# KiCad board PCB.kicad_pcb (continued)
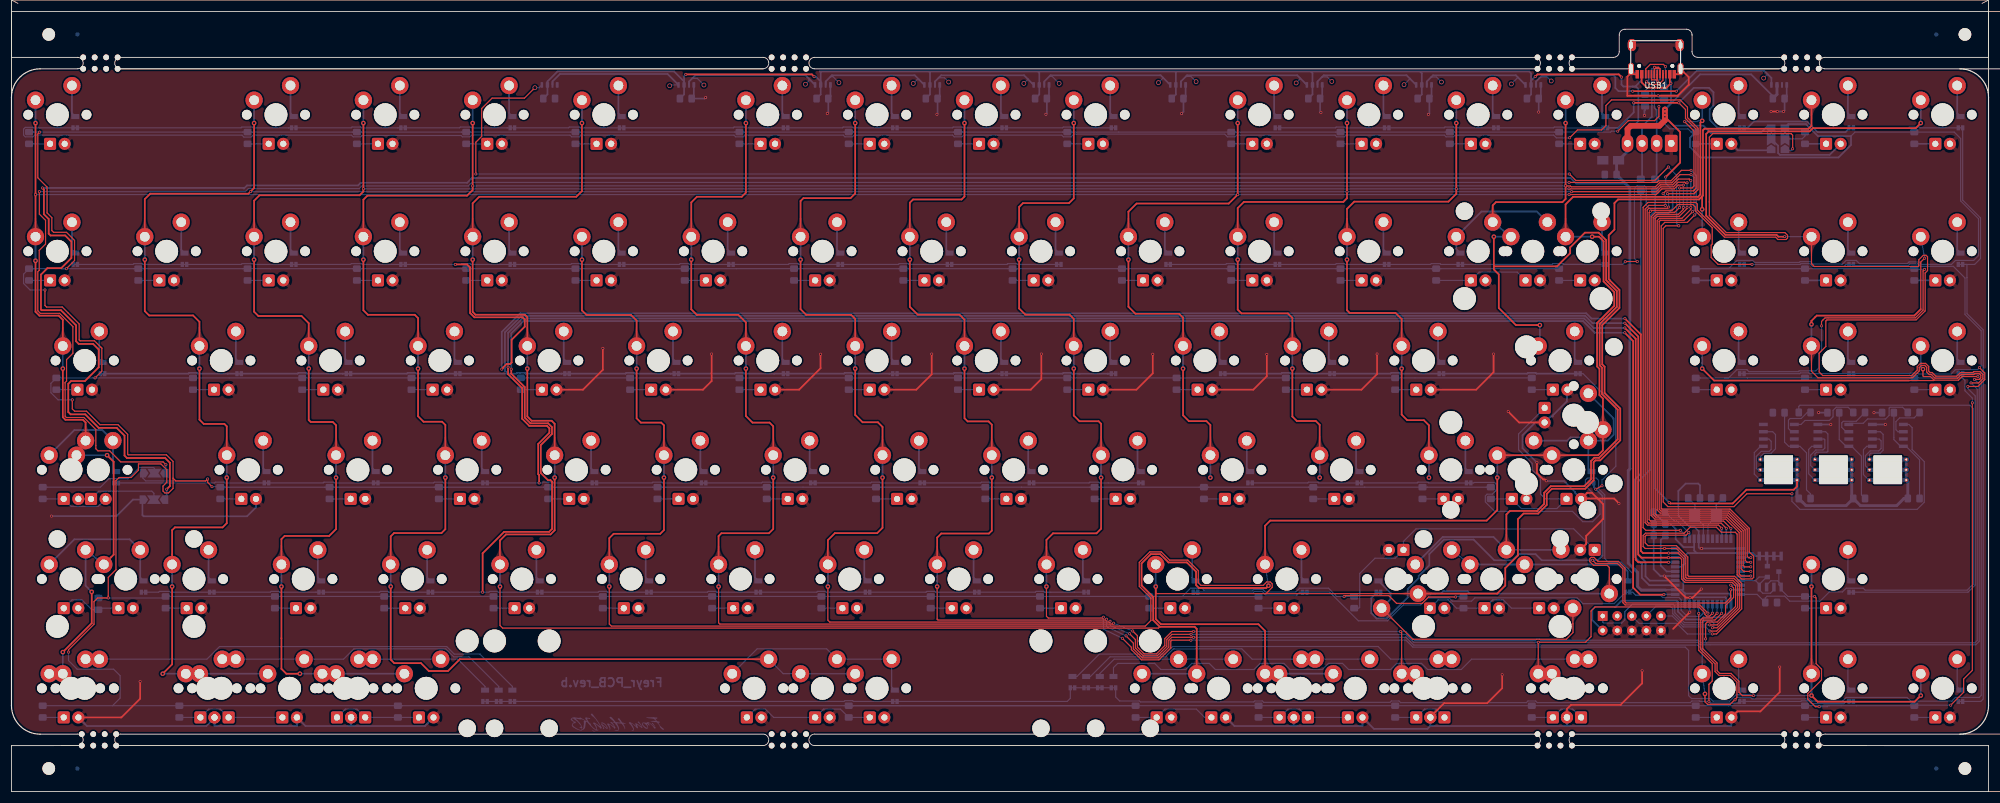
[diagram p0: board, top side]
## Copper pours and planes (outline as drawn; the poured copper is in the pictures) (continued)
Net-(D30-Pad2) on Bottom: 86.89,119.83 86.9,120.09 86.93,120.34 86.97,120.58 87.03,120.81 87.11,121.03 87.21,121.25 87.33,121.45 87.47,121.65 87.62,121.84 87.79,122.02 86.74,123.84 85.69,122.02 85.86,121.84 86.01,121.65 86.15,121.45 86.27,121.25 86.36,121.03 86.45,120.81 86.51,120.58 86.55,120.34 86.58,120.09 86.59,119.83
Net-(D31-Pad2) on Bottom: 67.84,96.02 67.85,96.28 67.88,96.53 67.92,96.77 67.98,97 68.06,97.22 68.16,97.44 68.28,97.64 68.42,97.84 68.57,98.03 68.74,98.21 67.69,100.03 66.64,98.21 66.81,98.03 66.96,97.84 67.1,97.64 67.22,97.44 67.31,97.22 67.4,97 67.46,96.77 67.5,96.53 67.53,96.28 67.54,96.02
Net-(D32-Pad2) on Bottom: 77.36,76.97 77.37,77.23 77.4,77.48 77.45,77.72 77.51,77.95 77.59,78.17 77.69,78.39 77.81,78.59 77.94,78.79 78.09,78.98 78.26,79.16 77.21,80.98 76.16,79.16 76.34,78.98 76.49,78.79 76.62,78.59 76.74,78.39 76.84,78.17 76.92,77.95 76.98,77.72 77.03,77.48 77.06,77.23 77.06,76.97
Net-(D33-Pad2) on Bottom: 82.13,57.92 82.14,58.18 82.16,58.43 82.21,58.67 82.27,58.9 82.35,59.12 82.45,59.34 82.57,59.54 82.7,59.74 82.86,59.93 83.03,60.11 81.98,61.93 80.93,60.11 81.1,59.93 81.25,59.74 81.39,59.54 81.5,59.34 81.6,59.12 81.68,58.9 81.75,58.67 81.79,58.43 81.82,58.18 81.83,57.92
Net-(D34-Pad2) on Bottom: 72.6,38.87 72.61,39.13 72.64,39.38 72.68,39.62 72.75,39.85 72.83,40.07 72.93,40.29 73.04,40.49 73.18,40.69 73.33,40.88 73.5,41.06 72.45,42.88 71.4,41.06 71.57,40.88 71.73,40.69 71.86,40.49 71.98,40.29 72.08,40.07 72.16,39.85 72.22,39.62 72.27,39.38 72.29,39.13 72.3,38.87
Net-(D35-Pad2) on Bottom: 127.95,23 127.75,22.82 127.55,22.65 127.34,22.5 127.12,22.38 126.89,22.27 126.66,22.19 126.41,22.12 126.17,22.07 125.91,22.05 125.65,22.04 125.1,20.01 127.13,20.55 127.14,20.82 127.17,21.07 127.21,21.32 127.28,21.56 127.37,21.8 127.47,22.02 127.6,22.24 127.74,22.46 127.91,22.66 128.09,22.86
Net-(D35-Pad2) on Bottom: 142.32,24.51 142.33,24.48 142.35,24.43 142.36,24.35 142.37,24.24 142.38,24.11 142.38,23.96 142.39,23.78 142.39,23.58 142.39,23.35 142.39,23.09 144.42,22.55 143.87,24.58 143.62,24.58 143.39,24.58 143.19,24.58 143.01,24.58 142.86,24.59 142.73,24.6 142.62,24.61 142.54,24.62 142.49,24.63 142.46,24.65
Net-(D35-Pad2) on Bottom: 153.51,19.7 153.52,19.97 153.55,20.23 153.6,20.49 153.67,20.73 153.75,20.97 153.86,21.19 153.98,21.41 154.12,21.62 154.28,21.82 154.46,22.01 153.41,23.83 152.36,22.01 152.54,21.82 152.71,21.62 152.85,21.41 152.97,21.19 153.08,20.97 153.16,20.73 153.23,20.49 153.28,20.23 153.3,19.97 153.31,19.7
Net-(D35-Pad2) on Bottom: 150.03,22.98 150.31,22.97 150.57,22.94 150.82,22.89 151.06,22.83 151.3,22.74 151.53,22.64 151.74,22.51 151.95,22.37 152.15,22.21 152.34,22.03 154.16,23.08 152.34,24.13 152.15,23.95 151.95,23.79 151.74,23.65 151.53,23.52 151.3,23.42 151.06,23.33 150.82,23.27 150.57,23.22 150.31,23.19 150.03,23.18
Net-(D35-Pad2) on Bottom: 147.27,23.18 147,23.19 146.74,23.22 146.48,23.27 146.24,23.33 146,23.42 145.78,23.52 145.56,23.65 145.35,23.79 145.15,23.95 144.96,24.13 143.14,23.08 144.96,22.03 145.15,22.21 145.35,22.37 145.56,22.51 145.78,22.64 146,22.74 146.24,22.83 146.48,22.89 146.74,22.94 147,22.97 147.27,22.98
Net-(D36-Pad2) on Bottom: 301.2,119.83 301.21,120.09 301.24,120.34 301.28,120.58 301.35,120.81 301.43,121.03 301.53,121.25 301.64,121.45 301.78,121.65 301.93,121.84 302.1,122.02 301.05,123.84 300,122.02 300.17,121.84 300.33,121.65 300.46,121.45 300.58,121.25 300.68,121.03 300.76,120.81 300.82,120.58 300.87,120.34 300.89,120.09 300.9,119.83
Net-(D37-Pad2) on Bottom: 251.99,94.58 252,94.63 252.03,94.69 252.07,94.76 252.13,94.85 252.21,94.95 252.31,95.07 252.43,95.2 252.57,95.34 252.72,95.5 252.89,95.67 251.84,97.49 250.79,95.67 250.96,95.5 251.11,95.34 251.25,95.2 251.37,95.07 251.46,94.95 251.55,94.85 251.61,94.76 251.65,94.69 251.68,94.63 251.69,94.58
Net-(D37-Pad2) on Bottom: 265.76,101.02 265.85,100.92 265.93,100.8 266,100.67 266.06,100.52 266.11,100.36 266.15,100.18 266.18,99.98 266.2,99.77 266.21,99.54 266.21,99.29 268.24,98.75 267.7,100.78 267.46,100.78 267.23,100.79 267.01,100.82 266.82,100.85 266.64,100.89 266.47,100.94 266.32,101 266.19,101.07 266.07,101.15 265.97,101.24
Net-(D37-Pad2) on Bottom: 253.23,98.35 253.2,98.32 253.14,98.3 253.06,98.29 252.96,98.27 252.83,98.26 252.68,98.25 252.51,98.24 252.31,98.24 252.09,98.24 251.85,98.24 251.31,96.21 253.34,96.75 253.34,97 253.34,97.21 253.34,97.41 253.35,97.58 253.36,97.73 253.37,97.86 253.39,97.96 253.4,98.04 253.42,98.1 253.45,98.13
Net-(D38-Pad2) on Bottom: 272.63,76.97 272.64,77.23 272.66,77.48 272.71,77.72 272.77,77.95 272.85,78.17 272.95,78.39 273.07,78.59 273.2,78.79 273.36,78.98 273.53,79.16 272.48,80.98 271.43,79.16 271.6,78.98 271.75,78.79 271.89,78.59 272,78.39 272.1,78.17 272.18,77.95 272.25,77.72 272.29,77.48 272.32,77.23 272.33,76.97
Net-(D39-Pad2) on Bottom: 105.94,119.83 105.95,120.09 105.98,120.34 106.02,120.58 106.08,120.81 106.16,121.03 106.26,121.25 106.38,121.45 106.52,121.65 106.67,121.84 106.84,122.02 105.79,123.84 104.74,122.02 104.91,121.84 105.06,121.65 105.2,121.45 105.32,121.25 105.41,121.03 105.5,120.81 105.56,120.58 105.6,120.34 105.63,120.09 105.64,119.83
Net-(D40-Pad2) on Bottom: 86.89,96.02 86.9,96.28 86.93,96.53 86.97,96.77 87.03,97 87.11,97.22 87.21,97.44 87.33,97.64 87.47,97.84 87.62,98.03 87.79,98.21 86.74,100.03 85.69,98.21 85.86,98.03 86.01,97.84 86.15,97.64 86.27,97.44 86.36,97.22 86.45,97 86.51,96.77 86.55,96.53 86.58,96.28 86.59,96.02
Net-(D41-Pad2) on Bottom: 96.41,76.97 96.42,77.23 96.45,77.48 96.5,77.72 96.56,77.95 96.64,78.17 96.74,78.39 96.86,78.59 96.99,78.79 97.14,78.98 97.31,79.16 96.26,80.98 95.21,79.16 95.39,78.98 95.54,78.79 95.67,78.59 95.79,78.39 95.89,78.17 95.97,77.95 96.03,77.72 96.08,77.48 96.11,77.23 96.11,76.97
Net-(D42-Pad2) on Bottom: 101.18,57.92 101.19,58.18 101.21,58.43 101.26,58.67 101.32,58.9 101.4,59.12 101.5,59.34 101.62,59.54 101.75,59.74 101.91,59.93 102.08,60.11 101.03,61.93 99.98,60.11 100.15,59.93 100.3,59.74 100.44,59.54 100.55,59.34 100.65,59.12 100.73,58.9 100.8,58.67 100.84,58.43 100.87,58.18 100.88,57.92
Net-(D43-Pad2) on Bottom: 91.65,38.87 91.66,39.13 91.69,39.38 91.73,39.62 91.8,39.85 91.88,40.07 91.98,40.29 92.09,40.49 92.23,40.69 92.38,40.88 92.55,41.06 91.5,42.88 90.45,41.06 90.62,40.88 90.78,40.69 90.91,40.49 91.03,40.29 91.13,40.07 91.21,39.85 91.27,39.62 91.32,39.38 91.34,39.13 91.35,38.87
Net-(D44-Pad2) on Bottom: 200.04,22.98 200.31,22.97 200.57,22.94 200.83,22.89 201.07,22.83 201.31,22.74 201.53,22.64 201.75,22.51 201.96,22.37 202.16,22.21 202.35,22.03 204.17,23.08 202.35,24.13 202.16,23.95 201.96,23.79 201.75,23.65 201.53,23.52 201.31,23.42 201.07,23.33 200.83,23.27 200.57,23.22 200.31,23.19 200.04,23.18
Net-(D44-Pad2) on Bottom: 209.57,22.98 209.84,22.97 210.1,22.94 210.35,22.89 210.6,22.83 210.83,22.74 211.06,22.64 211.28,22.51 211.48,22.37 211.68,22.21 211.87,22.03 213.7,23.08 211.87,24.13 211.68,23.95 211.48,23.79 211.28,23.65 211.06,23.52 210.83,23.42 210.6,23.33 210.35,23.27 210.1,23.22 209.84,23.19 209.57,23.18
Net-(D44-Pad2) on Bottom: 206.8,23.18 206.53,23.19 206.27,23.22 206.01,23.27 205.77,23.33 205.53,23.42 205.31,23.52 205.09,23.65 204.88,23.79 204.68,23.95 204.49,24.13 202.67,23.08 204.49,22.03 204.68,22.21 204.88,22.37 205.09,22.51 205.31,22.64 205.53,22.74 205.77,22.83 206.01,22.89 206.27,22.94 206.53,22.97 206.8,22.98
Net-(D45-Pad2) on Bottom: 320.25,119.83 320.26,120.09 320.29,120.34 320.33,120.58 320.4,120.81 320.48,121.03 320.58,121.25 320.69,121.45 320.83,121.65 320.98,121.84 321.15,122.02 320.1,123.84 319.05,122.02 319.22,121.84 319.38,121.65 319.51,121.45 319.63,121.25 319.73,121.03 319.81,120.81 319.87,120.58 319.92,120.34 319.94,120.09 319.95,119.83
Net-(D46-Pad2) on Bottom: 301.2,96.02 301.21,96.28 301.24,96.53 301.28,96.77 301.35,97 301.43,97.22 301.53,97.44 301.64,97.64 301.78,97.84 301.93,98.03 302.1,98.21 301.05,100.03 300,98.21 300.17,98.03 300.33,97.84 300.46,97.64 300.58,97.44 300.68,97.22 300.76,97 300.82,96.77 300.87,96.53 300.89,96.28 300.9,96.02
Net-(D47-Pad2) on Bottom: 277.27,67.24 277.09,67.42 276.94,67.62 276.8,67.82 276.68,68.03 276.58,68.24 276.5,68.47 276.43,68.69 276.39,68.93 276.36,69.17 276.36,69.42 274.33,69.97 274.87,67.93 275.12,67.93 275.36,67.9 275.6,67.86 275.83,67.8 276.05,67.71 276.26,67.61 276.47,67.49 276.67,67.36 276.87,67.2 277.06,67.02
Net-(D47-Pad2) on Bottom: 275.01,57.92 275.02,58.18 275.04,58.43 275.09,58.67 275.15,58.9 275.23,59.12 275.33,59.34 275.45,59.54 275.58,59.74 275.74,59.93 275.91,60.11 274.86,61.93 273.81,60.11 273.98,59.93 274.13,59.74 274.27,59.54 274.38,59.34 274.48,59.12 274.56,58.9 274.63,58.67 274.67,58.43 274.7,58.18 274.71,57.92
Net-(D47-Pad2) on Bottom: 268.59,61.33 268.34,61.34 268.09,61.37 267.85,61.41 267.62,61.47 267.39,61.55 267.18,61.65 266.97,61.77 266.77,61.91 266.58,62.06 266.4,62.23 264.58,61.18 266.4,60.13 266.58,60.3 266.77,60.45 266.97,60.59 267.18,60.71 267.39,60.8 267.62,60.89 267.85,60.95 268.09,60.99 268.34,61.02 268.59,61.03
Net-(D47-Pad2) on Bottom: 271.74,61.6 271.97,61.48 272.2,61.36 272.41,61.23 272.63,61.09 272.83,60.95 273.04,60.8 273.23,60.64 273.42,60.48 273.61,60.31 273.79,60.13 275.61,61.18 273.79,62.23 273.61,62.06 273.42,61.93 273.23,61.82 273.04,61.74 272.83,61.7 272.63,61.68 272.41,61.69 272.2,61.73 271.97,61.8 271.74,61.9
Net-(D49-Pad2) on Bottom: 105.94,96.02 105.95,96.28 105.98,96.53 106.02,96.77 106.08,97 106.16,97.22 106.26,97.44 106.38,97.64 106.52,97.84 106.67,98.03 106.84,98.21 105.79,100.03 104.74,98.21 104.91,98.03 105.06,97.84 105.2,97.64 105.32,97.44 105.41,97.22 105.5,97 105.56,96.77 105.6,96.53 105.63,96.28 105.64,96.02
Net-(D50-Pad2) on Bottom: 115.46,76.97 115.47,77.23 115.5,77.48 115.55,77.72 115.61,77.95 115.69,78.17 115.79,78.39 115.91,78.59 116.04,78.79 116.19,78.98 116.36,79.16 115.31,80.98 114.26,79.16 114.44,78.98 114.59,78.79 114.72,78.59 114.84,78.39 114.94,78.17 115.02,77.95 115.08,77.72 115.13,77.48 115.16,77.23 115.16,76.97
Net-(D51-Pad2) on Bottom: 120.23,57.92 120.24,58.18 120.26,58.43 120.31,58.67 120.37,58.9 120.45,59.12 120.55,59.34 120.67,59.54 120.8,59.74 120.96,59.93 121.13,60.11 120.08,61.93 119.03,60.11 119.2,59.93 119.35,59.74 119.49,59.54 119.6,59.34 119.7,59.12 119.78,58.9 119.85,58.67 119.89,58.43 119.92,58.18 119.93,57.92
Net-(D52-Pad2) on Bottom: 110.7,38.87 110.71,39.13 110.74,39.38 110.78,39.62 110.85,39.85 110.93,40.07 111.03,40.29 111.14,40.49 111.28,40.69 111.43,40.88 111.6,41.06 110.55,42.88 109.5,41.06 109.67,40.88 109.83,40.69 109.96,40.49 110.08,40.29 110.18,40.07 110.26,39.85 110.32,39.62 110.37,39.38 110.39,39.13 110.4,38.87
Net-(D53-Pad2) on Bottom: 234.64,22.98 234.67,22.97 234.72,22.94 234.78,22.89 234.86,22.83 234.96,22.74 235.07,22.64 235.2,22.51 235.35,22.37 235.51,22.21 235.69,22.03 237.51,23.08 235.69,24.13 235.51,23.95 235.35,23.79 235.2,23.65 235.07,23.52 234.96,23.42 234.86,23.33 234.78,23.27 234.72,23.22 234.67,23.19 234.64,23.18
Net-(D53-Pad2) on Bottom: 230.61,23.18 230.34,23.19 230.08,23.22 229.83,23.27 229.58,23.33 229.35,23.42 229.12,23.52 228.9,23.65 228.69,23.79 228.49,23.95 228.3,24.13 226.48,23.08 228.3,22.03 228.49,22.21 228.69,22.37 228.9,22.51 229.12,22.64 229.35,22.74 229.58,22.83 229.83,22.89 230.08,22.94 230.34,22.97 230.61,22.98
Net-(D53-Pad2) on Bottom: 223.85,22.98 224.12,22.97 224.39,22.94 224.64,22.89 224.88,22.83 225.12,22.74 225.35,22.64 225.56,22.51 225.77,22.37 225.97,22.21 226.16,22.03 227.98,23.08 226.16,24.13 225.97,23.95 225.77,23.79 225.56,23.65 225.35,23.52 225.12,23.42 224.88,23.33 224.64,23.27 224.39,23.22 224.12,23.19 223.85,23.18
Net-(D54-Pad2) on Bottom: 339.3,119.83 339.31,120.09 339.34,120.34 339.38,120.58 339.45,120.81 339.53,121.03 339.63,121.25 339.74,121.45 339.88,121.65 340.03,121.84 340.2,122.02 339.15,123.84 338.1,122.02 338.27,121.84 338.43,121.65 338.56,121.45 338.68,121.25 338.78,121.03 338.86,120.81 338.92,120.58 338.97,120.34 338.99,120.09 339,119.83
Net-(D55-Pad2) on Bottom: 320.25,96.02 320.26,96.28 320.29,96.53 320.33,96.77 320.4,97 320.48,97.22 320.58,97.44 320.69,97.64 320.83,97.84 320.98,98.03 321.15,98.21 320.1,100.03 319.05,98.21 319.22,98.03 319.38,97.84 319.51,97.64 319.63,97.44 319.73,97.22 319.81,97 319.87,96.77 319.92,96.53 319.94,96.28 319.95,96.02
Net-(D56-Pad2) on Bottom: 253.58,57.92 253.59,58.18 253.61,58.43 253.66,58.67 253.72,58.9 253.8,59.12 253.9,59.34 254.02,59.54 254.15,59.74 254.31,59.93 254.48,60.11 253.43,61.93 252.38,60.11 252.55,59.93 252.7,59.74 252.84,59.54 252.95,59.34 253.05,59.12 253.13,58.9 253.2,58.67 253.24,58.43 253.27,58.18 253.28,57.92
Net-(D57-Pad2) on Bottom: 134.51,119.83 134.52,120.09 134.55,120.34 134.6,120.58 134.66,120.81 134.74,121.03 134.84,121.25 134.96,121.45 135.09,121.65 135.24,121.84 135.41,122.02 134.36,123.84 133.31,122.02 133.49,121.84 133.64,121.65 133.77,121.45 133.89,121.25 133.99,121.03 134.07,120.81 134.13,120.58 134.18,120.34 134.21,120.09 134.21,119.83
Net-(D58-Pad2) on Bottom: 124.99,96.02 125,96.28 125.03,96.53 125.07,96.77 125.13,97 125.21,97.22 125.31,97.44 125.43,97.64 125.57,97.84 125.72,98.03 125.89,98.21 124.84,100.03 123.79,98.21 123.96,98.03 124.11,97.84 124.25,97.64 124.37,97.44 124.46,97.22 124.55,97 124.61,96.77 124.65,96.53 124.68,96.28 124.69,96.02
Net-(D59-Pad2) on Bottom: 134.51,76.97 134.52,77.23 134.55,77.48 134.6,77.72 134.66,77.95 134.74,78.17 134.84,78.39 134.96,78.59 135.09,78.79 135.24,78.98 135.41,79.16 134.36,80.98 133.31,79.16 133.49,78.98 133.64,78.79 133.77,78.59 133.89,78.39 133.99,78.17 134.07,77.95 134.13,77.72 134.18,77.48 134.21,77.23 134.21,76.97
Net-(D60-Pad2) on Bottom: 139.28,57.92 139.29,58.18 139.31,58.43 139.36,58.67 139.42,58.9 139.5,59.12 139.6,59.34 139.72,59.54 139.85,59.74 140.01,59.93 140.18,60.11 139.13,61.93 138.08,60.11 138.25,59.93 138.4,59.74 138.54,59.54 138.65,59.34 138.75,59.12 138.83,58.9 138.9,58.67 138.94,58.43 138.97,58.18 138.98,57.92
Net-(D61-Pad2) on Bottom: 129.75,38.87 129.76,39.13 129.79,39.38 129.83,39.62 129.9,39.85 129.98,40.07 130.08,40.29 130.19,40.49 130.33,40.69 130.48,40.88 130.65,41.06 129.6,42.88 128.55,41.06 128.72,40.88 128.88,40.69 129.01,40.49 129.13,40.29 129.23,40.07 129.31,39.85 129.37,39.62 129.42,39.38 129.44,39.13 129.45,38.87
Net-(D62-Pad2) on Bottom: 251.05,23.18 250.96,23.19 250.87,23.22 250.77,23.27 250.65,23.33 250.53,23.42 250.39,23.52 250.24,23.65 250.09,23.79 249.92,23.95 249.74,24.13 247.91,23.08 249.74,22.03 249.92,22.21 250.09,22.37 250.24,22.51 250.39,22.64 250.53,22.74 250.65,22.83 250.77,22.89 250.87,22.94 250.96,22.97 251.05,22.98
Net-(D62-Pad2) on Bottom: 248.66,22.98 248.75,22.97 248.84,22.94 248.94,22.89 249.06,22.83 249.18,22.74 249.32,22.64 249.47,22.51 249.62,22.37 249.79,22.21 249.97,22.03 251.8,23.08 249.97,24.13 249.79,23.95 249.62,23.79 249.47,23.65 249.32,23.52 249.18,23.42 249.06,23.33 248.94,23.27 248.84,23.22 248.75,23.19 248.66,23.18
Net-(D62-Pad2) on Bottom: 245.28,22.98 245.56,22.97 245.82,22.94 246.07,22.89 246.31,22.83 246.55,22.74 246.78,22.64 246.99,22.51 247.2,22.37 247.4,22.21 247.59,22.03 249.41,23.08 247.59,24.13 247.4,23.95 247.2,23.79 246.99,23.65 246.78,23.52 246.55,23.42 246.31,23.33 246.07,23.27 245.82,23.22 245.56,23.19 245.28,23.18
Net-(D63-Pad2) on Bottom: 339.3,96.02 339.31,96.28 339.34,96.53 339.38,96.77 339.45,97 339.53,97.22 339.63,97.44 339.74,97.64 339.88,97.84 340.03,98.03 340.2,98.21 339.15,100.03 338.1,98.21 338.27,98.03 338.43,97.84 338.56,97.64 338.68,97.44 338.78,97.22 338.86,97 338.92,96.77 338.97,96.53 338.99,96.28 339,96.02
Net-(D64-Pad2) on Bottom: 320.25,76.97 320.26,77.23 320.29,77.48 320.33,77.72 320.4,77.95 320.48,78.17 320.58,78.39 320.69,78.59 320.83,78.79 320.98,78.98 321.15,79.16 320.1,80.98 319.05,79.16 319.22,78.98 319.38,78.79 319.51,78.59 319.63,78.39 319.73,78.17 319.81,77.95 319.87,77.72 319.92,77.48 319.94,77.23 319.95,76.97
Net-(D65-Pad2) on Bottom: 234.53,57.92 234.54,58.18 234.56,58.43 234.61,58.67 234.67,58.9 234.75,59.12 234.85,59.34 234.97,59.54 235.1,59.74 235.26,59.93 235.43,60.11 234.38,61.93 233.33,60.11 233.5,59.93 233.65,59.74 233.79,59.54 233.9,59.34 234,59.12 234.08,58.9 234.15,58.67 234.19,58.43 234.22,58.18 234.23,57.92
Net-(D66-Pad2) on Bottom: 153.56,119.83 153.57,120.09 153.6,120.34 153.65,120.58 153.71,120.81 153.79,121.03 153.89,121.25 154.01,121.45 154.14,121.65 154.29,121.84 154.46,122.02 153.41,123.84 152.36,122.02 152.54,121.84 152.69,121.65 152.82,121.45 152.94,121.25 153.04,121.03 153.12,120.81 153.18,120.58 153.23,120.34 153.26,120.09 153.26,119.83
Net-(D67-Pad2) on Bottom: 144.04,96.02 144.05,96.28 144.08,96.53 144.12,96.77 144.18,97 144.26,97.22 144.36,97.44 144.48,97.64 144.62,97.84 144.77,98.03 144.94,98.21 143.89,100.03 142.84,98.21 143.01,98.03 143.16,97.84 143.3,97.64 143.42,97.44 143.51,97.22 143.6,97 143.66,96.77 143.7,96.53 143.73,96.28 143.74,96.02
Net-(D68-Pad2) on Bottom: 153.56,76.97 153.57,77.23 153.6,77.48 153.65,77.72 153.71,77.95 153.79,78.17 153.89,78.39 154.01,78.59 154.14,78.79 154.29,78.98 154.46,79.16 153.41,80.98 152.36,79.16 152.54,78.98 152.69,78.79 152.82,78.59 152.94,78.39 153.04,78.17 153.12,77.95 153.18,77.72 153.23,77.48 153.26,77.23 153.26,76.97
Net-(D69-Pad2) on Bottom: 158.33,57.92 158.34,58.18 158.36,58.43 158.41,58.67 158.47,58.9 158.55,59.12 158.65,59.34 158.77,59.54 158.9,59.74 159.06,59.93 159.23,60.11 158.18,61.93 157.13,60.11 157.3,59.93 157.45,59.74 157.59,59.54 157.7,59.34 157.8,59.12 157.88,58.9 157.95,58.67 157.99,58.43 158.02,58.18 158.03,57.92
Net-(D70-Pad2) on Bottom: 148.8,38.87 148.81,39.13 148.84,39.38 148.88,39.62 148.95,39.85 149.03,40.07 149.13,40.29 149.24,40.49 149.38,40.69 149.53,40.88 149.7,41.06 148.65,42.88 147.6,41.06 147.77,40.88 147.93,40.69 148.06,40.49 148.18,40.29 148.28,40.07 148.36,39.85 148.42,39.62 148.47,39.38 148.49,39.13 148.5,38.87
Net-(D71-Pad2) on Bottom: 271.48,22.98 271.75,22.97 272.01,22.94 272.26,22.89 272.51,22.83 272.74,22.74 272.97,22.64 273.19,22.51 273.4,22.37 273.6,22.21 273.79,22.03 275.61,23.08 273.79,24.13 273.6,23.95 273.4,23.79 273.19,23.65 272.97,23.52 272.74,23.42 272.51,23.33 272.26,23.27 272.01,23.22 271.75,23.19 271.48,23.18
Net-(D71-Pad2) on Bottom: 272.48,22.98 272.56,22.97 272.65,22.94 272.75,22.89 272.87,22.83 272.99,22.74 273.13,22.64 273.28,22.51 273.44,22.37 273.61,22.21 273.79,22.03 275.61,23.08 273.79,24.13 273.61,23.95 273.44,23.79 273.28,23.65 273.13,23.52 272.99,23.42 272.87,23.33 272.75,23.27 272.65,23.22 272.56,23.19 272.48,23.18
Net-(D71-Pad2) on Bottom: 274.86,23.18 274.78,23.19 274.68,23.22 274.58,23.27 274.47,23.33 274.34,23.42 274.2,23.52 274.06,23.65 273.9,23.79 273.73,23.95 273.55,24.13 271.73,23.08 273.55,22.03 273.73,22.21 273.9,22.37 274.06,22.51 274.2,22.64 274.34,22.74 274.47,22.83 274.58,22.89 274.68,22.94 274.78,22.97 274.86,22.98
Net-(D72-Pad2) on Bottom: 339.3,76.97 339.31,77.23 339.34,77.48 339.38,77.72 339.45,77.95 339.53,78.17 339.63,78.39 339.74,78.59 339.88,78.79 340.03,78.98 340.2,79.16 339.15,80.98 338.1,79.16 338.27,78.98 338.43,78.79 338.56,78.59 338.68,78.39 338.78,78.17 338.86,77.95 338.92,77.72 338.97,77.48 338.99,77.23 339,76.97
Net-(D73-Pad2) on Bottom: 301.2,76.97 301.21,77.23 301.24,77.48 301.28,77.72 301.35,77.95 301.43,78.17 301.53,78.39 301.64,78.59 301.78,78.79 301.93,78.98 302.1,79.16 301.05,80.98 300,79.16 300.17,78.98 300.33,78.79 300.46,78.59 300.58,78.39 300.68,78.17 300.76,77.95 300.82,77.72 300.87,77.48 300.89,77.23 300.9,76.97
Net-(D74-Pad2) on Bottom: 215.48,57.92 215.49,58.18 215.51,58.43 215.56,58.67 215.62,58.9 215.7,59.12 215.8,59.34 215.92,59.54 216.05,59.74 216.21,59.93 216.38,60.11 215.33,61.93 214.28,60.11 214.45,59.93 214.6,59.74 214.74,59.54 214.85,59.34 214.95,59.12 215.03,58.9 215.1,58.67 215.14,58.43 215.17,58.18 215.18,57.92
Net-(D75-Pad2) on Bottom: 172.61,119.83 172.62,120.09 172.65,120.34 172.7,120.58 172.76,120.81 172.84,121.03 172.94,121.25 173.06,121.45 173.19,121.65 173.34,121.84 173.51,122.02 172.46,123.84 171.41,122.02 171.59,121.84 171.74,121.65 171.87,121.45 171.99,121.25 172.09,121.03 172.17,120.81 172.23,120.58 172.28,120.34 172.31,120.09 172.31,119.83
Net-(D76-Pad2) on Bottom: 163.09,96.02 163.1,96.28 163.13,96.53 163.17,96.77 163.23,97 163.31,97.22 163.41,97.44 163.53,97.64 163.67,97.84 163.82,98.03 163.99,98.21 162.94,100.03 161.89,98.21 162.06,98.03 162.21,97.84 162.35,97.64 162.47,97.44 162.56,97.22 162.65,97 162.71,96.77 162.75,96.53 162.78,96.28 162.79,96.02
Net-(D77-Pad2) on Bottom: 172.61,76.97 172.62,77.23 172.65,77.48 172.7,77.72 172.76,77.95 172.84,78.17 172.94,78.39 173.06,78.59 173.19,78.79 173.34,78.98 173.51,79.16 172.46,80.98 171.41,79.16 171.59,78.98 171.74,78.79 171.87,78.59 171.99,78.39 172.09,78.17 172.17,77.95 172.23,77.72 172.28,77.48 172.31,77.23 172.31,76.97
Net-(D78-Pad2) on Bottom: 177.38,57.92 177.39,58.18 177.41,58.43 177.46,58.67 177.52,58.9 177.6,59.12 177.7,59.34 177.82,59.54 177.95,59.74 178.11,59.93 178.28,60.11 177.23,61.93 176.18,60.11 176.35,59.93 176.5,59.74 176.64,59.54 176.75,59.34 176.85,59.12 176.93,58.9 177,58.67 177.04,58.43 177.07,58.18 177.08,57.92
Net-(D79-Pad2) on Bottom: 167.85,38.87 167.86,39.13 167.89,39.38 167.93,39.62 168,39.85 168.08,40.07 168.18,40.29 168.29,40.49 168.43,40.69 168.58,40.88 168.75,41.06 167.7,42.88 166.65,41.06 166.82,40.88 166.98,40.69 167.11,40.49 167.23,40.29 167.33,40.07 167.41,39.85 167.47,39.62 167.52,39.38 167.54,39.13 167.55,38.87
Net-(D80-Pad2) on Bottom: 301.15,19.7 301.16,19.97 301.19,20.23 301.24,20.49 301.3,20.73 301.39,20.97 301.49,21.19 301.62,21.41 301.76,21.62 301.92,21.82 302.1,22.01 301.05,23.83 300,22.01 300.18,21.82 300.34,21.62 300.49,21.41 300.61,21.19 300.71,20.97 300.8,20.73 300.87,20.49 300.91,20.23 300.94,19.97 300.95,19.7
Net-(D81-Pad2) on Bottom: 320.2,38.75 320.21,39.02 320.24,39.28 320.29,39.54 320.35,39.78 320.44,40.02 320.54,40.24 320.67,40.46 320.81,40.67 320.97,40.87 321.15,41.06 320.1,42.88 319.05,41.06 319.23,40.87 319.39,40.67 319.54,40.46 319.66,40.24 319.76,40.02 319.85,39.78 319.92,39.54 319.96,39.28 319.99,39.02 320,38.75
Net-(D82-Pad2) on Bottom: 267,39.74 266.75,39.75 266.5,39.78 266.26,39.82 266.03,39.88 265.8,39.96 265.59,40.06 265.38,40.18 265.19,40.32 265,40.47 264.82,40.64 263,39.59 264.82,38.54 265,38.71 265.19,38.86 265.38,39 265.59,39.12 265.8,39.21 266.03,39.3 266.26,39.36 266.5,39.4 266.75,39.43 267,39.44
Net-(D82-Pad2) on Bottom: 260.49,39.44 260.74,39.43 260.99,39.4 261.23,39.36 261.46,39.3 261.69,39.21 261.9,39.12 262.11,39 262.3,38.86 262.49,38.71 262.67,38.54 264.5,39.59 262.67,40.64 262.49,40.47 262.3,40.32 262.11,40.18 261.9,40.06 261.69,39.96 261.46,39.88 261.23,39.82 260.99,39.78 260.74,39.75 260.49,39.74
Net-(D82-Pad2) on Bottom: 257.48,39.74 257.22,39.75 256.97,39.78 256.73,39.82 256.5,39.88 256.28,39.96 256.07,40.06 255.86,40.18 255.66,40.32 255.47,40.47 255.29,40.64 253.47,39.59 255.29,38.54 255.47,38.71 255.66,38.86 255.86,39 256.07,39.12 256.28,39.21 256.5,39.3 256.73,39.36 256.97,39.4 257.22,39.43 257.48,39.44
Net-(D82-Pad2) on Bottom: 251.52,41.62 251.72,41.45 251.91,41.26 252.08,41.07 252.23,40.86 252.36,40.65 252.47,40.42 252.56,40.19 252.64,39.95 252.69,39.7 252.73,39.44 254.81,39.12 254.04,41.08 253.78,41.06 253.52,41.06 253.27,41.07 253.02,41.11 252.78,41.17 252.54,41.25 252.31,41.35 252.08,41.48 251.86,41.62 251.64,41.78
Net-(D82-Pad2) on Bottom: 253.75,40.1 253.54,40.27 253.35,40.46 253.19,40.65 253.04,40.86 252.91,41.07 252.8,41.3 252.7,41.53 252.63,41.77 252.57,42.02 252.54,42.28 250.46,42.6 251.23,40.64 251.49,40.66 251.74,40.66 252,40.64 252.24,40.61 252.49,40.55 252.72,40.47 252.95,40.36 253.18,40.24 253.4,40.1 253.62,39.94
Net-(D83-Pad2) on Bottom: 205.95,38.87 205.96,39.13 205.99,39.38 206.03,39.62 206.1,39.85 206.18,40.07 206.28,40.29 206.39,40.49 206.53,40.69 206.68,40.88 206.85,41.06 205.8,42.88 204.75,41.06 204.92,40.88 205.08,40.69 205.21,40.49 205.33,40.29 205.43,40.07 205.51,39.85 205.57,39.62 205.62,39.38 205.64,39.13 205.65,38.87
Net-(D84-Pad2) on Bottom: 191.66,119.83 191.67,120.09 191.7,120.34 191.75,120.58 191.81,120.81 191.89,121.03 191.99,121.25 192.11,121.45 192.24,121.65 192.39,121.84 192.56,122.02 191.51,123.84 190.46,122.02 190.64,121.84 190.79,121.65 190.92,121.45 191.04,121.25 191.14,121.03 191.22,120.81 191.28,120.58 191.33,120.34 191.36,120.09 191.36,119.83
Net-(D85-Pad2) on Bottom: 182.14,96.02 182.15,96.28 182.18,96.53 182.22,96.77 182.28,97 182.36,97.22 182.46,97.44 182.58,97.64 182.72,97.84 182.87,98.03 183.04,98.21 181.99,100.03 180.94,98.21 181.11,98.03 181.26,97.84 181.4,97.64 181.52,97.44 181.61,97.22 181.7,97 181.76,96.77 181.8,96.53 181.83,96.28 181.84,96.02
Net-(D86-Pad2) on Bottom: 191.66,76.97 191.67,77.23 191.7,77.48 191.75,77.72 191.81,77.95 191.89,78.17 191.99,78.39 192.11,78.59 192.24,78.79 192.39,78.98 192.56,79.16 191.51,80.98 190.46,79.16 190.64,78.98 190.79,78.79 190.92,78.59 191.04,78.39 191.14,78.17 191.22,77.95 191.28,77.72 191.33,77.48 191.36,77.23 191.36,76.97
Net-(D87-Pad2) on Bottom: 196.43,57.92 196.44,58.18 196.46,58.43 196.51,58.67 196.57,58.9 196.65,59.12 196.75,59.34 196.87,59.54 197,59.74 197.16,59.93 197.33,60.11 196.28,61.93 195.23,60.11 195.4,59.93 195.55,59.74 195.69,59.54 195.8,59.34 195.9,59.12 195.98,58.9 196.05,58.67 196.09,58.43 196.12,58.18 196.13,57.92